# KiCad board frankenso.kicad_pcb (continued)
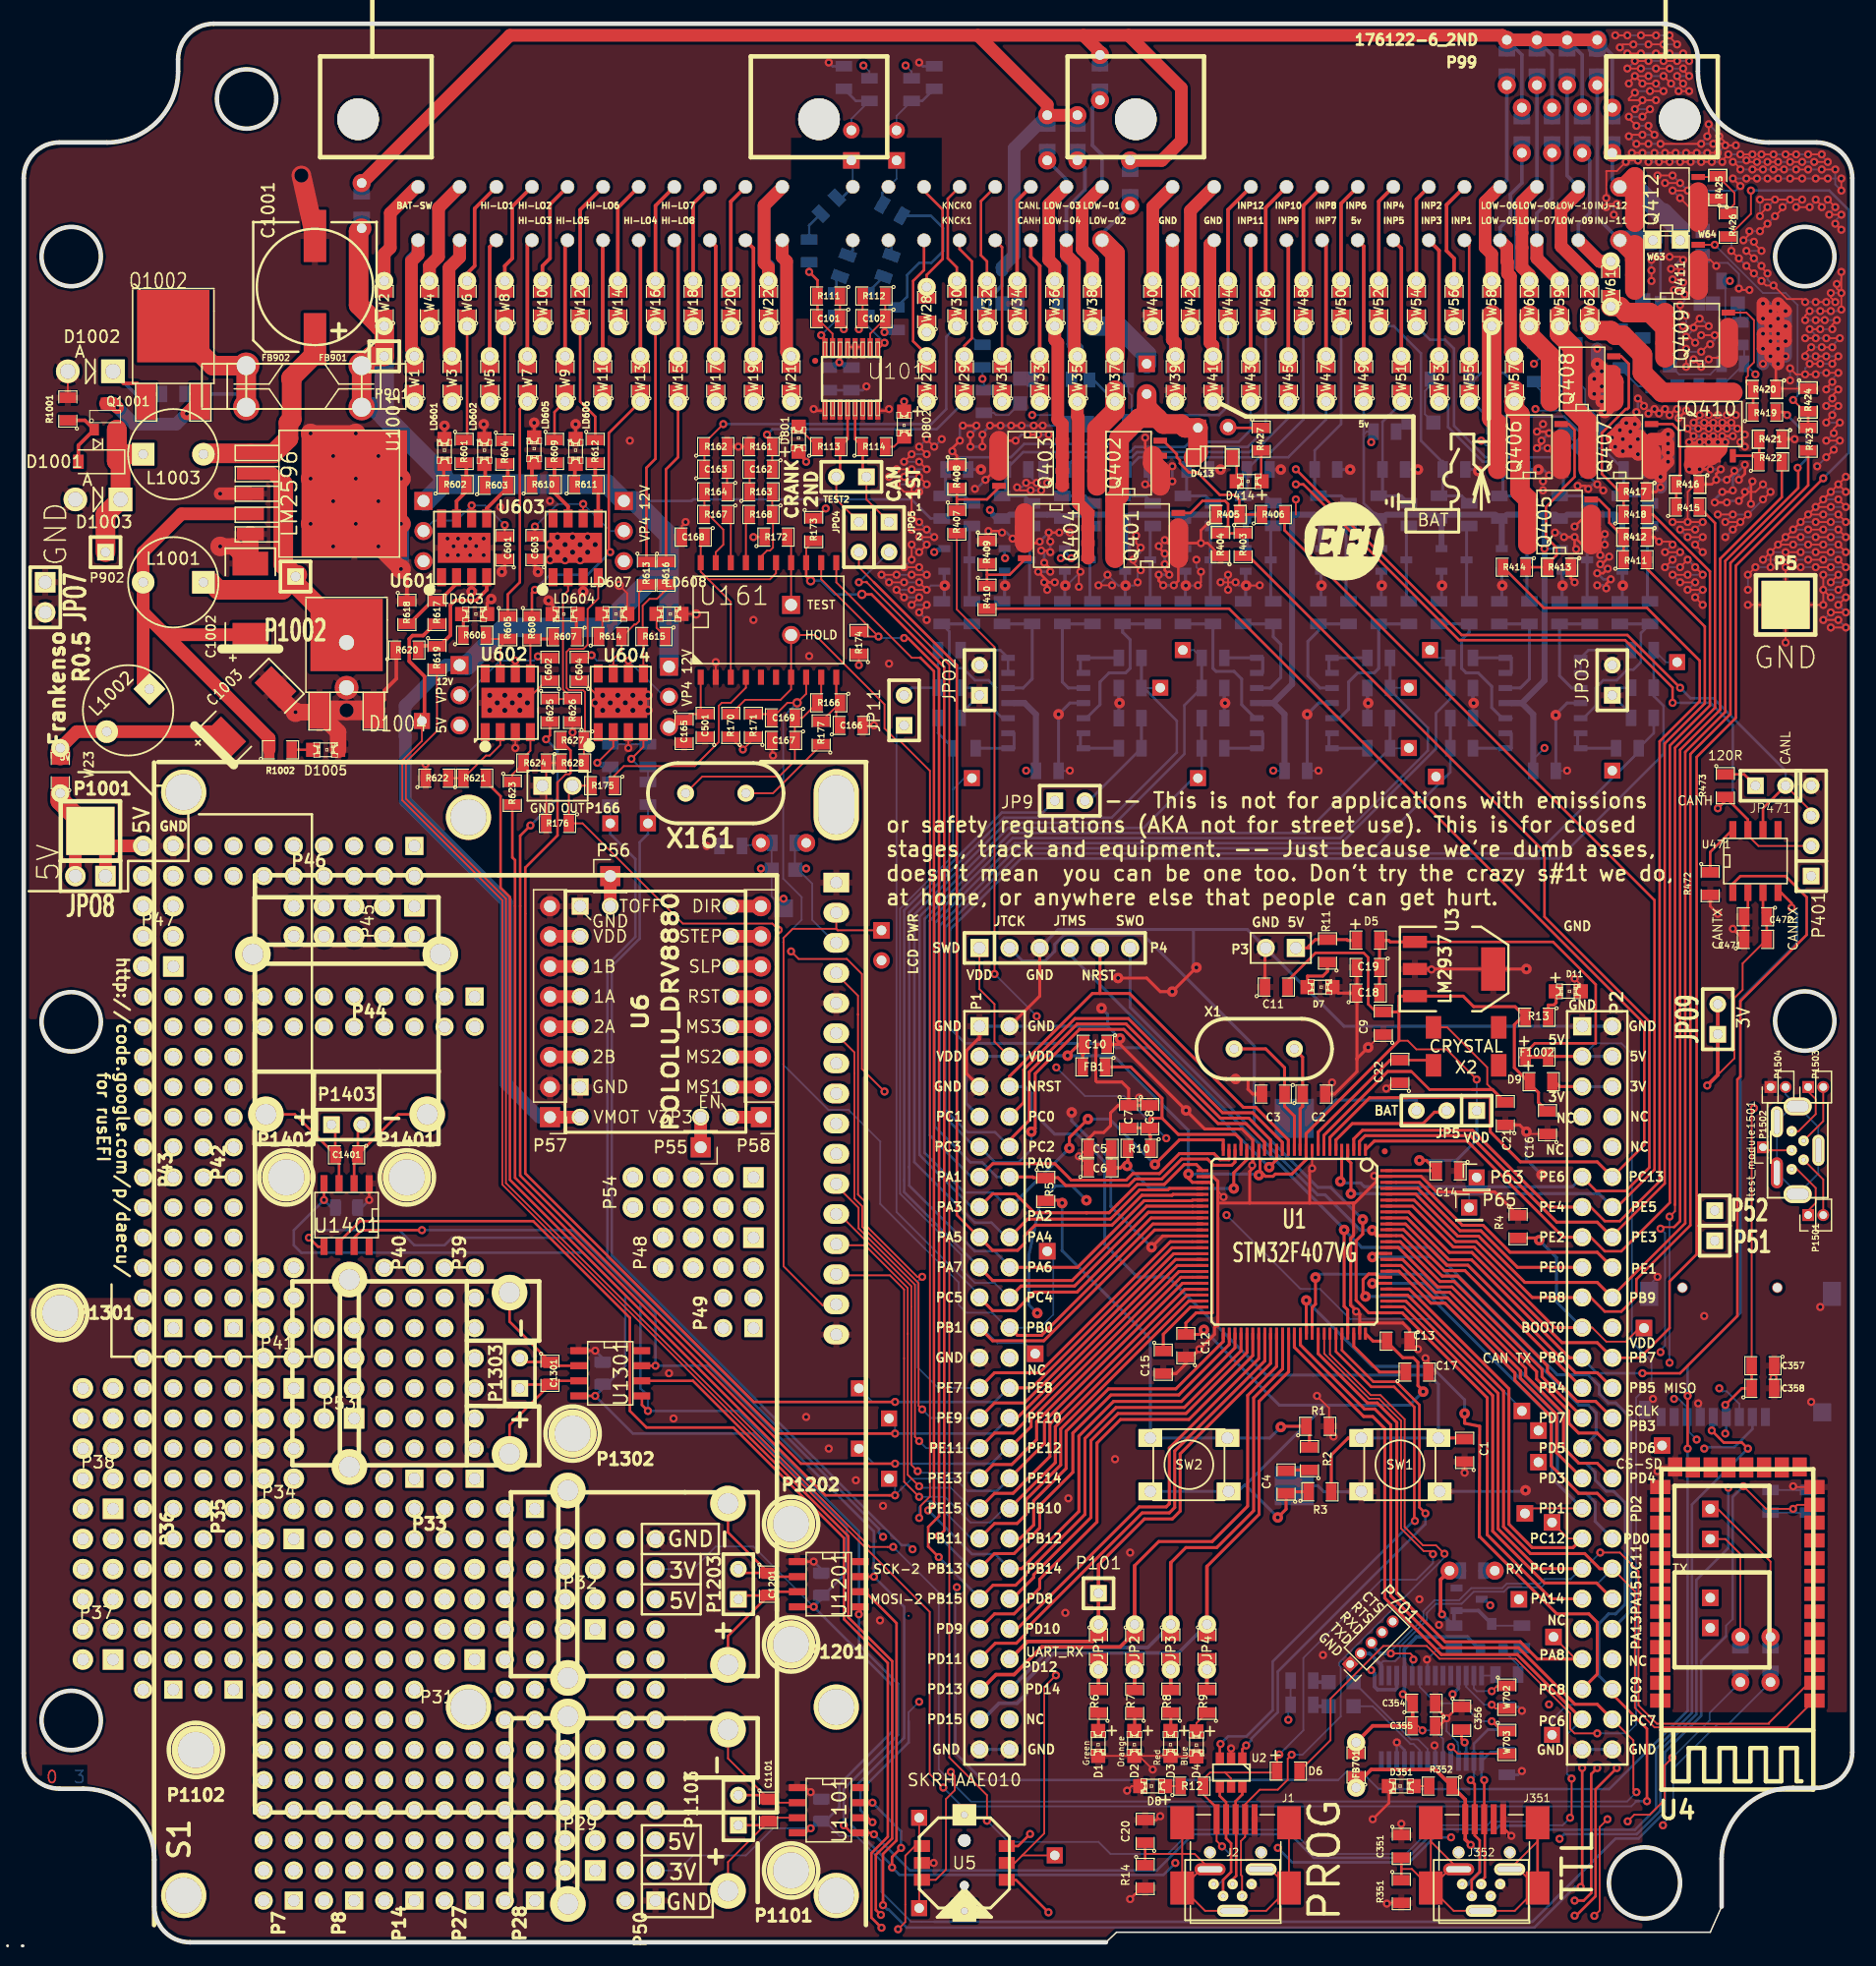
[diagram p0: board, top side]
## Routing (per net, layer and track width the routed paths; a pad name or vN(x,y) marks a point on that pad's centre or on a via; arc(x,y) is an arc through that point) (continued)
Net-(C701-Pad1): length 4.2
  Bottom w0.152: R703.1 125.95,23.37 Q701.1 124.83,24.79 C701.1
Net-(C701-Pad2): length 12.8
  Top w0.305: v2(119.54,27.64) 119.41,27.77 119.41,30.56 W701.2
  Bottom w0.152: Q701.3 123.88,26.69 C701.2
  Bottom w0.305: Q701.3 122.61,27.96 D703.1 120.56,27.75 C702.1 120.49,26.69 v2(119.54,27.64)
Net-(D1-Pad1): length 1.6
  Top w0.254: R6.1 90.58,17.81
Net-(D2-Pad1): length 1.6
  Top w0.254: R7.1 93.63,17.81
Net-(D3-Pad1): length 1.6
  Top w0.254: R8.1 96.68,17.81
Net-(D4-Pad1): length 2
  Top w0.152: R9.1 98.84,18.48 D4.1
Net-(D5-Pad1): length 5.5
  Top w0.254: 107.22,83.82 108.31,83.82 108.31,83.97 108.86,84.52 R11.2 111.53,84.52 111.59,84.45 112.36,84.45
Net-(D7-Pad1): length 3.6
  Top w0.254: R11.1 109.89,81.84 109.5,81.45 108.2,81.45 D7.1
Net-(D8-Pad1): length 1.3
  Top w0.152: D8.1 R12.1
Net-(D11-Pad1): length 2.7
  Top w0.254: R13.1 128.49,79 128.96,79 129.16,79.2 129.16,80.13
Net-(D12-Pad1): length 28.9
  Top w0.152: W35.2 W35.2
  Top w1.067: W35.2 88.55,133.94 88.55,141.56 87.88,142.23 P99.29
  Bottom w0.305: D12.1 89.44,149.56 89.44,147.71 87.88,146.15 P99.29
  Bottom w1.067: P99.29 87.88,142.14 88.43,141.6 88.43,134.7 88.81,134.32 W35.2
Net-(D13-Pad1): length 21.8
  Top w0.152: W36.2 W36.2
  Top w0.305: 88.17,147.66 P99.37
  Top w1.067: P99.37 86.39,146.48 86.39,141.82 86.9,141.31 W36.2
  Bottom w0.305: D13.1 87.88,148.58 P99.37
  Bottom w1.067: P99.37 86.39,146.48 86.39,141.82 86.9,141.31 W36.2
Net-(D14-Pad1): length 15.1
  Top w0.152: W37.2 W37.2
  Top w1.651: P99.30 91.98,142.37 W37.2
  Bottom w0.305: D14.1 90.88,144.02 P99.30
Net-(D15-Pad1): length 27.2
  Top w0.152: W38.2 W38.2
  Top w0.305: 90.71,147.66 P99.38
  Top w1.067: P99.38 89.21,146.3 89.21,142.72 90.08,141.85 W38.2
  Bottom w0.305: D15.1 90.08,154.64 90.08,151.47 90.88,150.66 P99.38
  Bottom w1.067: P99.38 89.21,146.3 89.21,142.68 90.08,141.82 W38.2
Net-(D16-Pad1): length 19.7
  Top w0.152: W57.2 W57.2
  Top w0.305: 125.38,133.94 W57.2
  Top w1.067: W57.2 125.31,134.02 125.31,140.42 125.06,140.67 125.06,141.63 125.01,141.68 125.01,142.89 P99.48
  Bottom w0.305: D16.1 126.27,148.29 125.31,147.33 125.31,145.42 124.43,144.55 P99.48
Net-(D17-Pad1): length 19.1
  Top w0.152: W58.2 W58.2
  Top w0.305: W58.2 123.73,140.67
  Top w1.067: P99.61 123.17,146.71 123.17,142.86 123.73,142.3 W58.2
  Bottom w0.305: P99.61 125,148.54 D17.1
Net-(D18-Pad1): length 17.3
  Top w0.152: W59.2 W59.2
  Top w1.067: W59.2 127.53,141.95 P99.49
  Bottom w0.305: P99.49 127.53,145.74 128.81,147.02 D18.1
  Bottom w1.067: W59.2 127.53,141.95 P99.49
Net-(D19-Pad1): length 27.1
  Top w0.152: W60.2 W60.2
  Top w1.067: W60.2 126.91,140.55 126.28,141.17 126.28,142.85 126.27,142.86 126.27,144.07 126.28,144.08 126.28,146.72 P99.62
  Bottom w0.305: P99.62 127.54,147.98 D19.1
  Bottom w1.067: P99.62 126.14,146.58 126.14,141.31 126.91,140.55 W60.2
Net-(D20-Pad1): length 15.9
  Top w0.152: W61.2 W61.2
  Top w1.067: P99.50 132.81,141.69 W61.2
  Bottom w0.305: D20.1 131.99,150.2 131.99,145.75 131.03,144.8 P99.50
  Bottom w1.067: P99.50 132.81,141.69 W61.2
Net-(D21-Pad1): length 29
  Top w0.152: W62.2 W62.2
  Top w1.067: P99.63 131.03,147.46 129.57,146.01 129.57,142.96 131.99,140.55 W62.2
  Bottom w0.305: P99.63 130.08,148.92 D21.1
  Bottom w1.067: W62.2 131.99,140.55 129.57,142.96 129.57,146.01 131.03,147.46 P99.63
Net-(D210-Pad2): length 6.5
  Bottom w0.254: R212.2 136.85,119.17 D210.2 136.85,113.24 R213.1
Net-(D220-Pad2): length 6.5
  Bottom w0.254: R222.2 131.77,119.17 D220.2 131.77,113.24 R223.1
Net-(D230-Pad2): length 6.5
  Bottom w0.254: R232.2 126.69,119.17 D230.2 126.69,113.24 R233.1
Net-(D240-Pad2): length 6.5
  Bottom w0.254: R242.2 121.61,119.17 D240.2 121.61,113.24 R243.1
Net-(D250-Pad2): length 6.5
  Bottom w0.254: 116.75,119.38 116.53,119.17 D250.2 116.53,113.24 R253.1
Net-(D260-Pad2): length 6.5
  Bottom w0.254: 111.67,119.38 111.45,119.17 D260.2 111.45,113.24 R263.1
Net-(D270-Pad2): length 6.5
  Bottom w0.254: 105.32,119.38 105.1,119.17 D270.2 105.1,113.24 R273.1
Net-(D280-Pad2): length 6.5
  Bottom w0.254: R282.2 100.02,119.17 D280.2 100.02,113.24 R283.1
Net-(D290-Pad2): length 6.5
  Bottom w0.254: R292.2 94.94,119.17 D290.2 94.94,113.24 R293.1
Net-(D300-Pad2): length 6.5
  Bottom w0.254: R302.2 89.86,119.17 D300.2 89.86,113.24 R303.1
Net-(D310-Pad2): length 6.5
  Bottom w0.254: R312.2 84.78,119.17 D310.2 84.78,113.24 R313.1
Net-(D320-Pad2): length 6.5
  Bottom w0.254: R322.2 79.7,119.17 D320.2 79.7,113.24 R323.1
Net-(D351-Pad1): length 1.3
  Top w0.152: R352.2 D351.1
Net-(D413-Pad1): length 2.2
  Top w0.216: D413.1 102.24,124.78 D414.2
Net-(D414-Pad1): length 2.6
  Top w0.216: D414.1 104.3,123.18 R427.2
Net-(D415-Pad1): length 1.4
  Bottom w0.152: R438.1 90.01,128.23 D415.1
Net-(D415-Pad2): length 3.7
  Bottom w0.152: D415.2 93.38,128.45 93.38,130.39 93.1,130.67 D416.1
Net-(D417-Pad1): length 4.2
  Bottom w0.152: D417.1 79.92,137.66 79.92,135.34 80.61,134.64 R428.1
Net-(D417-Pad2): length 1.4
  Bottom w0.152: D418.1 83.85,138.13 D417.2
Net-(D419-Pad1): length 3.5
  Bottom w0.152: D419.1 83,128.73 81.95,128.73 81.76,128.93 R429.1
Net-(D419-Pad2): length 1.1
  Bottom w0.152: D420.1 84.96,131.82 D419.2
Net-(D421-Pad1): length 1.4
  Bottom w0.152: R430.1 116.43,128.1 D421.1
Net-(D421-Pad2): length 4.1
  Bottom w0.152: D421.2 118.1,128.81 118.1,130.77 118.55,131.22 D422.1
Net-(D423-Pad1): length 2.5
  Bottom w0.152: R431.1 124.21,127.69 D423.1
Net-(D423-Pad2): length 1.3
  Bottom w0.152: D424.1 123.86,130.94 D423.2
Net-(D425-Pad1): length 1.7
  Bottom w0.152: D425.1 130.04,127.16 R432.1
Net-(D425-Pad2): length 4.9
  Bottom w0.152: D426.1 130.94,131.55 131.61,130.89 131.61,129.58 132.6,128.59 D425.2
Net-(D427-Pad1): length 2.2
  Bottom w0.152: R433.1 129.07,131.27 130.08,130.26 D427.1
Net-(D427-Pad2): length 1.7
  Bottom w0.152: D427.2 127.31,131.34 D428.1
Net-(D429-Pad1): length 5
  Bottom w0.152: D429.1 139.51,132.16 142.15,132.16 143.04,133.05 R434.1
Net-(D429-Pad2): length 2.4
  Bottom w0.152: D430.1 136.65,135.04 D429.2
Net-(D431-Pad1): length 1.8
  Bottom w0.152: R435.1 D431.1
Net-(D431-Pad2): length 3.4
  Bottom w0.152: D432.1 136.1,131.15 D431.2
Net-(D433-Pad1): length 1.7
  Bottom w0.152: D433.1 144.69,137.91 R436.1
Net-(D433-Pad2): length 1.1
  Bottom w0.152: D433.2 142.34,138.16 D434.1
Net-(D435-Pad1): length 2.3
  Bottom w0.152: R437.1 141.51,140.36 D435.1
Net-(D435-Pad2): length 1.6
  Bottom w0.152: D436.1 141.51,145.5 D435.2
Net-(D701-Pad1): length 1.4
  Bottom w0.305: R701.2 108.81,19.9 D701.1
Net-(D701-Pad2): length 8
  Bottom w0.152: D701.2 113.7,19.9 116.87,16.72 117.13,16.72 117.68,16.17 U351.23
Net-(D702-Pad1): length 1.4
  Bottom w0.305: R702.2 108.81,21.93 D702.1
Net-(D702-Pad2): length 9.6
  Bottom w0.152: U351.22 118.33,16.28 117.51,17.1 116.92,17.1 112.08,21.94 D702.2
Net-(D801-Pad2): length 2.3
  Top w0.152: R113.1 65.31,127.66 D801.2
Net-(D802-Pad2): length 1.9
  Top w0.152: D802.2 73.35,126.07 R114.2
Net-(D1001-Pad1): length 16.1
  Top w1.651: D1001.1 8.54,125.43 L1003.1 ; D1001.1 7.84,124.86 ; D1001.1 8.16,124.54 D1003.1 6.89,120.35 P902.1 ; 7.84,124.86 Q1001.2 7.84,124.86
Net-(D1001-Pad2): length 5.8
  Top w0.305: D1001.2 4.61,126.18 Q1001.1 5.16,128.29 R1001.1
Net-(D1005-Pad1): length 1.8
  Top w0.203: R1002.2 D1005.1
Net-(JP1-Pad2): length 1.7
  Top w0.305: R6.2 JP1.2
Net-(JP2-Pad2): length 1.7
  Top w0.305: R7.2 JP2.2
Net-(JP3-Pad2): length 1.7
  Top w0.305: R8.2 JP3.2
Net-(JP4-Pad2): length 1.7
  Top w0.305: R9.2 JP4.2
Net-(JP5-Pad2): length 11.2
  Top w0.254: JP5.2 119.79,69.97 118.91,69.97 117.94,69.01 111.97,69.01 110.6,67.64 U1.6
Net-(JP9-Pad2): length 9.1
  Bottom w0.216: R294.2 89.78,96.22 JP9.2
  Bottom w0.254: R295.1 R294.2
Net-(JP11-Pad2): length 6.3
  Bottom w0.216: JP11.2 74.84,105.75 R315.1 R314.2
Net-(JP471-Pad1): length 2.9
  Top w0.216: JP471.1 145,98.45 R473.1
Net-(LD601-Pad1): length 1.8
  Top w0.254: LD601.1 35.4,124.56 R602.1
Net-(LD602-Pad1): length 1.8
  Top w0.254: 38.9,124.56 LD602.1
  Top w0.305: R603.1 38.9,124.56
Net-(LD603-Pad1): length 1.8
  Top w0.254: LD603.1 37.05,111.86 R606.1
Net-(LD604-Pad1): length 1.9
  Top w0.254: LD604.1 46.58,111.86 R607.1
Net-(LD605-Pad1): length 2
  Top w0.254: 42.83,124.56 LD605.1
  Top w0.305: R610.1 42.83,124.56
Net-(LD606-Pad1): length 1.8
  Top w0.254: 46.45,124.56 LD606.1
  Top w0.305: R611.1 46.45,124.56
Net-(LD607-Pad1): length 2
  Top w0.152: R614.1 48.77,110.35 LD607.1
Net-(LD608-Pad1): length 2.2
  Top w0.152: R615.1 53.34,110.8 LD608.1
Net-(P55-Pad1): length 2.5
  Top w1.067: U6.18 P55.1
Net-(P56-Pad1): length 2.5
  Top w1.067: U6.17 P56.1
Net-(P57-Pad3): length 2.5
  Top w1.067: U6.6 P57.3
Net-(P57-Pad4): length 2.5
  Top w1.067: U6.5 P57.4
Net-(P57-Pad5): length 2.5
  Top w1.067: U6.4 P57.5
Net-(P57-Pad6): length 2.5
  Top w1.067: U6.3 P57.6
Net-(P58-Pad1): length 2.5
  Top w1.067: U6.9 P58.1
Net-(P58-Pad2): length 2.5
  Top w1.067: U6.10 P58.2
Net-(P58-Pad3): length 2.5
  Top w1.067: U6.11 P58.3
Net-(P58-Pad4): length 2.5
  Top w1.067: U6.12 P58.4
Net-(P58-Pad5): length 2.5
  Top w1.067: U6.13 P58.5
Net-(P58-Pad6): length 2.5
  Top w1.067: U6.14 P58.6
Net-(P58-Pad7): length 2.5
  Top w1.067: U6.15 P58.7
Net-(P58-Pad8): length 2.5
  Top w1.067: U6.16 P58.8
Net-(P99-Pad1): length 21.5
  Top w0.152: W1.2 W1.2
  Top w1.067: P99.1 33.23,142.25 32.67,141.69 32.67,134.32 32.93,134.07 W1.2
  Bottom w1.067: 32.67,133.94 W1.2 32.67,133.94 ; 32.67,133.94 32.67,141.82 33.23,142.38 P99.1
Net-(P99-Pad2): length 21.8
  Top w0.152: W3.2 W3.2
  Top w1.067: W3.2 35.85,133.94 35.85,141.14 36.73,142.03 P99.2
  Bottom w1.067: 35.85,133.94 W3.2 35.85,133.94 ; 35.85,133.94 35.85,141.14 36.73,142.03 P99.2
Net-(P99-Pad3): length 11
  Top w0.152: W5.2 W5.2
  Top w0.305: P99.3 39.28,142.91 W5.2
Net-(P99-Pad4): length 10.9
  Top w0.152: W7.2 W7.2
  Top w0.305: P99.4 42.45,143.09 W7.2
Net-(P99-Pad5): length 10.8
  Top w0.152: W9.2 W9.2
  Top w0.305: P99.5 45.63,143.26 W9.2
Net-(P99-Pad6): length 10.7
  Top w0.152: W11.2 W11.2
  Top w0.305: P99.6 48.8,143.44 W11.2
Net-(P99-Pad7): length 10.8
  Top w0.152: W13.2 W13.2
  Top w0.305: P99.7 51.98,143.32 W13.2
Net-(P99-Pad8): length 10.9
  Top w0.152: W15.2 W15.2
  Top w0.305: P99.8 55.15,143.15 W15.2
Net-(P99-Pad9): length 10.9
  Top w0.152: W17.2 W17.2
  Top w0.305: P99.9 58.33,142.97 W17.2
Net-(P99-Pad10): length 11
  Top w0.152: W19.2 W19.2
  Top w0.305: P99.10 61.5,142.8 W19.2
Net-(P99-Pad11): length 21.7
  Top w0.152: W21.2 W21.2
  Top w1.067: W21.2 64.3,134.07 64.3,141.69 63.93,142.05 P99.11
  Bottom w1.067: 64.3,134.07 W21.2 64.3,134.07 ; 64.3,134.07 64.3,141.69 63.93,142.05 P99.11
Net-(P99-Pad12): length 9.2
  Top w1.067: W2.2 30.39,142.32 30.89,142.83 30.89,145.75 33.11,147.97 P99.12
Net-(P99-Pad13): length 18
  Top w1.067: P99.13 34.96,146.19 34.96,142.07 34.2,141.31 W4.2
  Bottom w1.067: P99.13 34.96,146.19 34.96,142.07 34.2,141.31 W4.2
Net-(P99-Pad14): length 8.9
  Top w0.305: P99.14 38.01,146.14 38.01,141.31 37.37,140.67 W6.2
Net-(P99-Pad15): length 8.9
  Top w0.305: P99.15 41.18,146.32 41.18,141.94 40.55,141.31 W8.2
Net-(P99-Pad16): length 8.8
  Top w0.305: P99.16 44.36,146.49 44.36,141.94 43.72,141.31 W10.2
Net-(P99-Pad17): length 9.7
  Top w0.152: W12.2 W12.2
  Top w0.305: P99.17 46.9,146.03 W12.2
Net-(P99-Pad18): length 9.6
  Top w0.152: W14.2 W14.2
  Top w0.305: P99.18 50.07,146.21 W14.2
Net-(P99-Pad19): length 9.5
  Top w0.152: W16.2 W16.2
  Top w0.305: P99.19 53.25,146.38 W16.2
Net-(P99-Pad20): length 9.5
  Top w0.152: W18.2 W18.2
  Top w0.305: P99.20 56.42,146.56 W18.2
Net-(P99-Pad21): length 9.4
  Top w0.152: W20.2 W20.2
  Top w0.305: P99.21 59.6,146.73 W20.2
Net-(P99-Pad22): length 18.4
  Top w0.152: W22.2 W22.2
  Top w1.067: W22.2 62.77,141.18 62.4,141.55 62.4,146.4 63.93,147.93 P99.22
  Bottom w1.067: W22.2 62.77,141.31 62.39,141.69 62.39,146.39 63.93,147.93 P99.22
Net-(P99-Pad25): length 11.6
  Top w0.152: W27.2 W27.2
  Top w0.216: P99.25 75.88,140.95 74.96,140.04 74.96,134.96 76.11,133.81 W27.2
Net-(P99-Pad26): length 11.4
  Top w0.152: W29.2 W29.2
  Top w0.216: P99.26 78.88,142.73 79.92,141.69 79.92,135.21 79.28,134.58 W29.2
Net-(P99-Pad27): length 11
  Top w0.152: W31.2 W31.2
  Top w0.216: P99.27 82.46,142.89 W31.2
Net-(P99-Pad28): length 11
  Top w0.152: W33.2 W33.2
  Top w0.305: W33.2 85.63,141.31 84.88,142.06 P99.28
Net-(P99-Pad33): length 10.1
  Top w0.152: W28.2 76.11,139.53
  Top w0.216: P99.33 75.88,147.63 77.45,146.06 77.45,141.89 76.11,140.55 76.11,140.04
Net-(P99-Pad34): length 10
  Top w0.152: W30.2 W30.2
  Top w0.216: P99.34 77.88,146.97 77.88,141.94 78.65,141.18 W30.2
  Top w0.305: P99.34 78.65,147.66
Net-(P99-Pad35): length 9.9
  Top w0.152: W32.2 W32.2
  Top w0.216: P99.35 80.68,146.76 80.68,142.2 81.19,141.69 W32.2
  Top w0.305: 81.82,147.66 P99.35
Net-(P99-Pad36): length 9.7
  Top w0.305: W34.2 W34.2 83.73,146.81 P99.36 85,147.66
Net-(P99-Pad39): length 20.8
  Top w0.152: W39.2 W39.2
  Top w1.067: P99.39 96.81,143.45 96.81,135.08 97.06,134.83 W39.2
  Bottom w1.067: 96.81,143.45 P99.39 96.81,143.45 ; 96.81,143.45 96.81,135.08 97.06,134.83 W39.2
Net-(P99-Pad40): length 21.5
  Top w0.152: W41.2 W41.2
  Top w1.067: P99.40 99.98,143.12 99.98,134.83 100.24,134.58 W41.2
  Bottom w1.067: 99.98,143.12 P99.40 99.98,143.12 ; 99.98,143.12 99.98,134.83 100.24,134.58 W41.2
Net-(P99-Pad41): length 10.7
  Top w0.152: W43.2 W43.2
  Top w0.305: P99.41 103.41,143.45 W43.2
Net-(P99-Pad42): length 10.8
  Top w0.152: W45.2 W45.2
  Top w0.305: P99.42 106.59,143.31 W45.2
Net-(P99-Pad43): length 10.9
  Top w0.152: W47.2 W47.2
  Top w0.305: P99.43 109.76,143.14 W47.2
Net-(P99-Pad44): length 10.9
  Top w0.152: W49.2 W49.2
  Top w0.305: P99.44 112.94,142.96 W49.2
Net-(P99-Pad45): length 11
  Top w0.152: W51.2 W51.2
  Top w0.305: P99.45 116.11,142.79 W51.2
Net-(P99-Pad46): length 11.1
  Top w0.152: W53.2 W53.2
  Top w0.305: P99.46 119.29,142.61 W53.2
Net-(P99-Pad47): length 10.9
  Top w0.152: W55.2 W55.2
  Top w0.216: P99.47 121.83,143.07 W55.2
Net-(P99-Pad52): length 18.2
  Top w0.152: W40.2 W40.2
  Top w1.067: P99.52 95.16,146.3 W40.2
  Bottom w1.067: P99.52 95.16,146.3 W40.2
Net-(P99-Pad53): length 18.5
  Top w0.152: W42.2 W42.2
  Top w1.067: P99.53 98.33,145.97 W42.2
  Bottom w1.067: P99.53 98.33,145.97 W42.2
Net-(P99-Pad54): length 9.7
  Top w0.152: W44.2 W44.2
  Top w0.305: P99.54 101.51,146.04 W44.2
Net-(P99-Pad55): length 9.6
  Top w0.152: W46.2 W46.2
  Top w0.305: P99.55 104.68,146.22 W46.2
Net-(P99-Pad56): length 9.5
  Top w0.152: W48.2 W48.2
  Top w0.305: P99.56 107.86,146.39 W48.2
Net-(P99-Pad57): length 9.5
  Top w0.152: W50.2 W50.2
  Top w0.305: P99.57 111.03,146.57 W50.2
Net-(P99-Pad58): length 9.4
  Top w0.152: W52.2 W52.2
  Top w0.305: P99.58 114.21,146.74 W52.2
Net-(P99-Pad59): length 9.3
  Top w0.152: W54.2 W54.2
  Top w0.305: P99.59 117.38,146.92 W54.2
Net-(P99-Pad60): length 9.8
  Top w0.152: W56.2 W56.2
  Top w0.305: P99.60 119.92,146.46 119.92,142.58 120.56,141.94 W56.2
Net-(P701-Pad4): length 8.2
  PWR w0.305: 114.48,26.14 114.48,24.74 113.57,23.83 v2(113.57,22.94)
  Bottom w0.305: U351.3 115.73,21.41 115.6,21.29 114.11,21.29 113.85,21.55 113.85,22.66 v2(113.57,22.94)
Net-(P701-Pad5): length 10.6
  PWR w0.305: 115.38,27.03 116.47,27.03 120.43,23.07 v2(120.43,20.91)
  Bottom w0.305: v2(120.43,20.91) 120.93,21.41 U351.11
Net-(P1501-Pad1): length 5.2
  Top w0.152: test_module1501.1 149.46,65.16 151.04,63.58 151.04,62.31 150.4,61.68 P1501.1
Net-(P1501-Pad2): length 5.3
  Top w0.152: test_module1501.2 151.67,64.3 P1501.2
Net-(P1502-Pad1): length 2.5
  Top w0.152: P1502.1 146.85,66.76 test_module1501.3
Net-(P1503-Pad1): length 5.2
  Top w0.152: test_module1501.5 149.59,68.36 151.04,69.81 151.04,71.08 150.4,71.71 P1503.1
Net-(P1503-Pad2): length 5.2
  Top w0.152: test_module1501.4 151.67,69.22 P1503.2
Net-(P1504-Pad2): length 20
  Bottom w0.152: test_module1501.6 151.26,68.71 test_module1501.6 151.26,64.81 test_module1501.6 149.51,63.11 test_module1501.6 test_module1501.6 149.06,70.46 test_module1501.6 ; test_module1501.6 148.5,71.47 P1504.2
Net-(Q401-Pad1): length 9.4
  Top w0.216: R403.1 R404.2 101.51,119.4 101.51,121.24 101.25,121.5 99.35,121.5 98.33,120.48 Q401.1
Net-(Q402-Pad1): length 12.2
  Top w0.216: Q402.1 96.05,126.58 97.19,125.43 97.19,125.18 97.44,124.92 97.44,124.67 98.2,123.91 98.9,123.91 100.81,122 102.01,122 102.46,121.56 R405.2 R406.1
Net-(Q403-Pad1): length 6
  Top w0.216: 78.65,121.62 81.19,121.62 82.2,122.64 Q403.1 ; 78.65,121.62 R408.2 ; 78.65,121.62 R407.1
Net-(Q404-Pad1): length 5.7
  Top w0.216: 81.19,115.27 83.09,115.27 84.36,116.54 Q404.1 ; 81.19,115.27 R410.1 ; 81.19,115.27 R409.2
Net-(Q405-Pad1): length 6.6
  Top w0.216: R411.1 R412.2 133.64,119.65 133.64,120.73 132.75,121.62 Q405.1
Net-(Q406-Pad1): length 16.5
  Top w0.216: Q406.1 130.21,127.97 130.71,127.47 130.71,123.52 129.7,122.51 129.7,122.38 128.3,120.99 128.3,118.45 129.19,117.56 129.19,116.92 128.49,116.23 R413.2 R414.1
Net-(Q407-Pad1): length 9.2
  Top w0.216: R415.1 R416.2 139.61,123.21 139.61,127.34 138.97,127.97 Q407.1
Net-(Q408-Pad1): length 16.2
  Top w0.216: R418.1 R417.2 134.53,122.26 133.01,123.78 133.01,127.22 135.03,129.24 135.16,129.24 135.28,129.36 135.28,133.05 134.65,133.69 Q408.1
Net-(Q409-Pad1): length 10.7
  Top w0.152: R420.2 145.19,131.47 145.19,131.91 145.32,132.04 145.32,132.67 145.83,133.18 145.83,136.74 145.19,137.37 Q409.1
  Top w0.216: R420.2 R419.1
Net-(Q410-Pad1): length 4.3
  Top w0.216: 144.05,125.31 145.77,125.31 R422.1 R421.2
Net-(Q411-Pad1): length 21.7
  Top w0.152: v2(149.13,130) 150.08,129.05 R424.2 ; Q411.1 v2(142.53,143.09)
  Top w0.216: R424.2 R423.1
  Bottom w0.152: v2(142.53,143.09) 146.59,139.02 148.5,139.02 149.51,138.01 149.51,130.39 v2(149.13,130)
Net-(Q412-Pad1): length 5.8
  Top w0.152: R425.2 142.72,148.8 ; R425.2 142.72,148.8 ; R425.2 144.18,147.47 144.18,146.51 143.67,146.01 R426.1 ; R425.2 142.72,148.8 ; 142.72,148.8 Q412.1
Net-(R1-Pad1): length 39.8
  Top w0.254: v1(105.95,43.43) 106.01,43.49 R1.1 108.36,43.24 R2.2 ; v1(87.52,62.31) 87.4,62.31 87.17,62.54 86.14,62.54
  Bottom w0.254: v1(105.95,43.43) 105.03,42.51 SW2.1 SW2.1 94.95,50.87 87.52,58.31 v1(87.52,62.31)
Net-(R99-Pad2): length 10.3
  Bottom w0.152: v2(62.14,90.51) 62.24,90.4 RV101.1 ; RV101.1 63.04,92.62 W101.2 W101.2 R99.2 ; RV101.1 63.04,88.15 RV101.2 v2(64.04,87.97)
Net-(R102-Pad2): length 2.6
  Bottom w0.216: R102.2 66.2,144.74 R107.1
Net-(R103-Pad2): length 1.5
  Bottom w0.216: R103.2 68.49,140.1 R108.1
Net-(R104-Pad2): length 2
  Bottom w0.216: R104.2 71.15,139.09 R109.1
Net-(R106-Pad2): length 12.8
  Bottom w0.216: R110.1 74.46,138.7 74.46,140.55 75.47,141.56 76.49,141.56 77.5,142.58 77.5,144.48 76.46,145.53 R106.2
Net-(R137-Pad2): length 5.7
  Bottom w0.152: R137.2 69.76,153.69 W1002.2
  Bottom w0.216: R801.2 70.14,155.21 R137.2
Net-(R141-Pad2): length 5.3
  Bottom w0.152: R141.2 73.57,153.94 W1003.2
  Bottom w0.216: R802.2 75.73,155.21 R141.2
Net-(R163-Pad2): length 6.6
  Top w0.152: U161.16 62.14,116.8 62.64,117.3 62.9,117.3 63.15,117.56 63.15,119.59 63.09,119.65 R168.1 R163.2
Net-(R164-Pad2): length 7.1
  Top w0.152: U161.19 58.33,117.18 58.96,117.81 58.96,119.08 57.69,120.35 R167.2 R164.2
Net-(R167-Pad1): length 4.2
  Top w0.152: R167.1 59.6,120.04 U161.18
Net-(R168-Pad2): length 4.2
  Top w0.152: R168.2 60.87,120.04 U161.17
Net-(R177-Pad1): length 8.1
  Top w0.152: X161.2 63.15,96.86 67.22,100.92 R177.1
Net-(R214-Pad1): length 4.5
  Bottom w0.254: R214.1 130.97,100.65 130.97,101.92
Net-(R224-Pad1): length 5.8
  Bottom w0.216: U201.9 131.22,108.27 131.88,108.92 R224.1
Net-(R234-Pad1): length 4.5
  Bottom w0.254: 125.38,107 125.38,108.27 R234.1
Net-(R244-Pad1): length 4.5
  Bottom w0.254: 125.38,101.92 125.38,100.65 R244.1
Net-(R254-Pad1): length 4.5
  Bottom w0.254: R254.1 110.02,100.65 110.02,101.92
Net-(R264-Pad1): length 4.5
  Bottom w0.254: 110.02,107 110.02,108.27 R264.1
Net-(R274-Pad1): length 4.5
  Bottom w0.254: R274.1 104.43,108.27 104.43,107
Net-(R284-Pad1): length 4.5
  Bottom w0.254: R284.1 104.43,100.65 104.43,101.92
Net-(R294-Pad1): length 4.5
  Bottom w0.254: 89.06,101.92 89.06,100.65 R294.1
Net-(R304-Pad1): length 4.5
  Bottom w0.254: 89.06,107 89.06,108.27 R304.1
Net-(R314-Pad1): length 5.5
  Bottom w0.216: R314.1 82.31,108.92 82.96,108.27 U203.6
Net-(R324-Pad1): length 4.5
  Bottom w0.254: R324.1 83.47,100.65 83.47,101.92
Net-(R472-Pad1): length 4.4
  Top w0.216: U471.8 142.15,91.9 R472.1
Net-(R601-Pad2): length 5.1
  Top w0.254: 37.31,124.53 R601.2
  Top w0.305: 37.31,124.53 37.31,122.31 36.48,121.48 U601.7
Net-(R603-Pad2): length 6.2
  Top w0.254: 40.8,124.4 R604.2 ; U601.5 39.02,120.34
  Top w0.305: U601.5 39.02,120.86 40.8,122.64 R603.2 40.8,124.4 R604.2
Net-(R605-Pad2): length 5.1
  Top w0.152: R606.2 39.28,109.86 R605.2 40.17,109.23 U602.7
Net-(R607-Pad2): length 4.9
  Top w0.152: R608.2 42.71,109.73 U602.5
  Top w0.254: R608.2 44.48,109.86 R607.2
Net-(R609-Pad2): length 5.2
  Top w0.305: R609.2 44.74,122.18 45.88,121.04 U603.7
Net-(R611-Pad2): length 4.8
  Top w0.254: 48.42,122.81 48.17,123.07
  Top w0.305: 48.17,123.07 R612.2 ; U603.5 48.42,122.81
Net-(R613-Pad2): length 8.8
  Top w0.152: R613.2 51.86,113.82 51.86,111.35 51.6,111.08 51.47,111.08 50.45,110.07 R614.2 50.39,108.86 49.69,108.16 U604.7
Net-(R615-Pad2): length 8.7
  Top w0.152: R616.2 54.14,114 53.37,113.24 52.74,113.24 52.17,112.67 R615.2 52.23,110 U604.5
Net-(R617-Pad1): length 6.6
  Top w0.152: U601.2 36.48,114.59
  Top w0.305: R618.2 32.46,111.31 32.67,111.31 34.41,113.05 R617.1 34.87,113.09 35.04,113.09 36.48,114.53 U601.2
Net-(R619-Pad1): length 10.5
  Top w0.305: R620.2 33.62,109.3 34.77,109.3 R619.1 35.02,109.24 35.97,110.19 35.97,112.71 36.37,113.11 38.13,113.11 39.02,114 U601.4
Net-(R621-Pad1): length 6.6
  Top w0.152: U602.2 40.17,100.92 39.28,100.03 38.96,100.03 R621.1 R622.2
Net-(R623-Pad1): length 4.8
  Top w0.152: U602.4 42.71,100.44 42.13,99.87 R624.2 41.18,98.45 R623.1
Net-(R625-Pad1): length 12.7
  Top w0.152: R625.1 R626.2 45.45,105.61 45.45,113.49 45.88,113.93 U603.2
Net-(R627-Pad1): length 18.8
  Top w0.152: U603.4 48.42,113.27 47.53,112.38 47.53,109.38 47.18,109.02 46.01,109.02 45.75,108.77 45.75,105.73 45.94,105.54 47.15,105.54 47.3,105.39 47.3,101.39 R627.1 R628.2
Net-(R629-Pad1): length 5.6
  Top w0.152: v2(48.34,99.42) 49.69,100.77 U604.2
  Bottom w0.152: v2(48.34,99.42) 48.69,99.08 R630.2 R629.1
Net-(R631-Pad1): length 5.6
  Top w0.152: v2(51.21,99.75) 52.23,100.77 U604.4
  Bottom w0.152: v2(51.21,99.75) 51.89,99.08 R632.2 R631.1
Net-(U5-Pad1): length 74.4
  Top w0.152: v2(135.19,10.19) 135.75,10.75 137.04,10.75 138.31,12.02 138.31,14.92 v2(138.95,15.55)
  Top w0.216: v2(86.37,2.52) 83.63,5.26 U5.1
  GND w0.152: v2(86.37,2.52) 87.33,1.56 127.49,1.56 130.18,4.25 130.18,5.19 v2(135.19,10.19)
  Bottom w0.152: v2(138.95,15.55) 142.1,18.7 142.1,19.34 W102.1
Net-(U5-Pad3): length 80.5
  Top w0.216: v2(84.82,9.13) 83.81,8.11 U5.3
  PWR w0.152: v2(138.16,9.86) 137.4,9.1 134.45,9.1 127.19,1.84 89.67,1.84 84.82,6.69 v2(84.82,9.13)
  Bottom w0.152: W103.1 W103.1 143.67,18.37 142.76,18.37 139.02,14.64 139.02,10.88 138.16,10.02 v2(138.16,9.86)

## Copper pours and planes (outline as drawn; the poured copper is in the pictures)
/5V on PWR: 173.9,-10.46 -8.98,-10.46 -8.98,180.04 173.9,180.04 ; 3 cut-outs
GND on Top: 168.82,-5.38 -3.9,-5.38 -3.9,174.96 168.82,174.96 ; 3 cut-outs
GND on Bottom: 171.36,-7.92 -6.44,-7.92 -6.44,177.5 171.36,177.5 ; 3 cut-outs
GND on GND: 176.44,-13 -11.52,-13 -11.52,182.58 176.44,182.58 ; 3 cut-outs

## Text on the board
Bottom: 3
B.SilkS: KNCK0 | KNCK1 | CANL | CANH | LOW-03 | LOW-04 | LOW-01 | LOW-02 | LOW-06 | LOW-05 | LOW-08 | LOW-07 | LOW-10 | LOW-09 | LOW-12 | LOW-11 | NC | BAT-SW | HI-LO1 | HI-LO2 | HI-LO3 | HI-LO5 | HI-LO6 | HI-LO4 | HI-LO7 | HI-LO8 | 1 / 2 | W27 | GND | INP12 | INP11 | INP10 | INP9 | INP8 | INP7 | INP6 | 5V | 5v | INP4 | INP5 | INP2 | INP3 | INP1 | HI-LO VOLTAGE | 2 / 1 | OUT | HOLD | TEST | MICRO-SDCARD- / -3300060P1 | SCK-2 | 12V | VP2 | VP | VP3 | VP4 | PULL UP | MOSI-2 | W28 | W30 | W29 | UART_RX | CAN TX | RX | W60 | W59 | W62 | W61 | W63 | W64 | TX | CRK+ | CAM+ | MISO | SCLK | 3.3V | MOSI | CS-SD | PD13 | PD15 | SWD | PC3 | VDD | PC1 | PA1 | PA3 | PA5 | PA7 | PC5 | PB1 | PE7 | PE9 | PE11 | PE13 | PE15 | PB11 | PB13 | PB15 | PD9 | PD11 | JTCK | PA4 | PA6 | PA0 | PA2 | PC4 | PB0 | PE8 | PB14 | PD8 | PD10 | PD12 | PD14 | PC0 | PC2 | NRST | PE10 | PE12 | PE14 | PB12 | JTMS | SWO | BAT | BOOT0 | PC10 | PE6 | PE4 | PE2 | PE0 | PB8 | PB6 | PB4 | PC12 | PA8 | PC8 | PC6 | PA14 | PD1 | PD3 | 3V | PE5 | PE3 | PE1 | PB9 | PB7 | PB5 | PD4 | PD2 | PD0 | PC9 | PC7 | PC13 | PC11 | PA15 | PA13 | LCD PWR | PB10 | PD7 | PD5 | PB3 | PD6 | Switching buck regulator aprox / 80% eff input 7V to 18V continious / 3.5A     max peak 100V for 40mS per / ISO      7637-2 Output 5V at 3A with / less      than 50mV ripple | W2 | W1 | W4 | W3 | W6 | W5 | W8 | W7 | W10 | W9 | W12 | W11 | W14 | W13 | W16 | W15 | W18 | W17 | W20 | W19 | W22 | W21 | HALL                               VR | DNP HALL DNP | W38 | W40 | W39 | W42 | W41 | W44 | W43 | W46 | W45 | W48 | W47 | W50 | W49 | W52 | TPS | W51 | W54 | MASS / AIR FLOW / SENSOR | W56 | W58 | CAM- | KNCK2 | IAT | CLT | CRK- | Notes / -- This board draws .12 amps on average and .30      amps peak. / Suggested 1A fused for this board. -- Injectors should have disconnect / switches / relays and fuses as required. -- HI/LO driver should be limited / to 1/8 amps or less unless they can be kept cold enough. -- If you wire / CAM or CRANK for hall input, the input will float to 2.5V. Then the - will / trigger when crossing 2.5V. / -- Analog inputs can be configured via / installing pull up and pull down resistors. | 12Vswitch | http://rusefi.com/ / rusEFI | FIRE ESTINGUISHER REQUIRED
Dwgs.User: 4 layer board stackup is as follows: / 0 is top min 1 oz copper (1.4 mil) / min 6.7 mil prepreg FR4 / 1 is GND min 0.5 oz copper (0.7 mil) / min 47 mil core FR4 / 2 is PWR min 0.5 oz copper (0.7 mil) / min 6.7 mil prepreg FR4 / 3 is bottom min 1 oz copper (1.4 mil)
Top: 0
F.SilkS: Green | Orange | Red | Blue | LOW-10 | KNCK0 | KNCK1 | CANL | CANH | LOW-03 | LOW-04 | LOW-01 | LOW-02 | LOW-06 | LOW-05 | LOW-08 | LOW-07 | LOW-09 | INJ-12 | INJ-11 | 12V | 5v | BAT-SW | HI-LO1 | HI-LO2 | HI-LO3 | HI-LO5 | HI-LO6 | HI-LO4 | HI-LO7 | HI-LO8 | 1 / 2 | GND | INP12 | INP11 | INP10 | INP9 | INP8 | INP7 | INP6 | INP4 | INP5 | INP2 | INP3 | INP1 | OUT | TEST | HOLD | 120R | CANTX | CANRX | MOSI-2 | CAN TX | SCK-2 | UART_RX | RX | CS-SD | SCLK | MISO | TX | 5V  VP | VP4 12V | TXD | RXD | RTS | CTS | PE13 | PE15 | PB11 | PB13 | PB15 | PD11 | PD13 | PD15 | SWD | PE11 | PC3 | VDD | PC1 | PA1 | PA3 | PA5 | PA7 | PC5 | PB1 | PE7 | PE9 | PD9 | JTCK | NC | PA0 | PA2 | PA4 | PA6 | PC4 | PB0 | PE8 | PD8 | PD12 | PC0 | PC2 | PD10 | PD14 | NRST | PE10 | PE12 | PE14 | PB10 | PB12 | PB14 | JTMS | SWO | 5V | BAT | BOOT0 | PC12 | PC10 | PA14 | PE6 | PE4 | PE2 | PE0 | PB8 | PB6 | PB4 | PD7 | PD5 | PD3 | PD1 | PA8 | PC8 | PC6 | 3V | PD0 | PB9 | PB7 | PB5 | PB3 | PD6 | PD4 | PC7 | PE5 | PE3 | PE1 | PC13 | LCD PWR | PD2 | PC11 | PA15 | PA13 | PC9 | http://code.google.com/p/daecu/ / for rusEFI | CRANK / 2ND | CAM / 1ST | -- This is not for applications with emissions / or safety regulations (AKA not for street use). This is for closed / stages, track and equipment. -- Just because we're dumb asses, / doesn't mean  you can be one too. Don't try the crazy s#1t we do, / at home, or anywhere else that people can get hurt. | Frankenso / R0.5 | PROG | TTL
PWR: 1
GND: 2
